# Allegro board AX7021-2019-04-01.brd (continued)
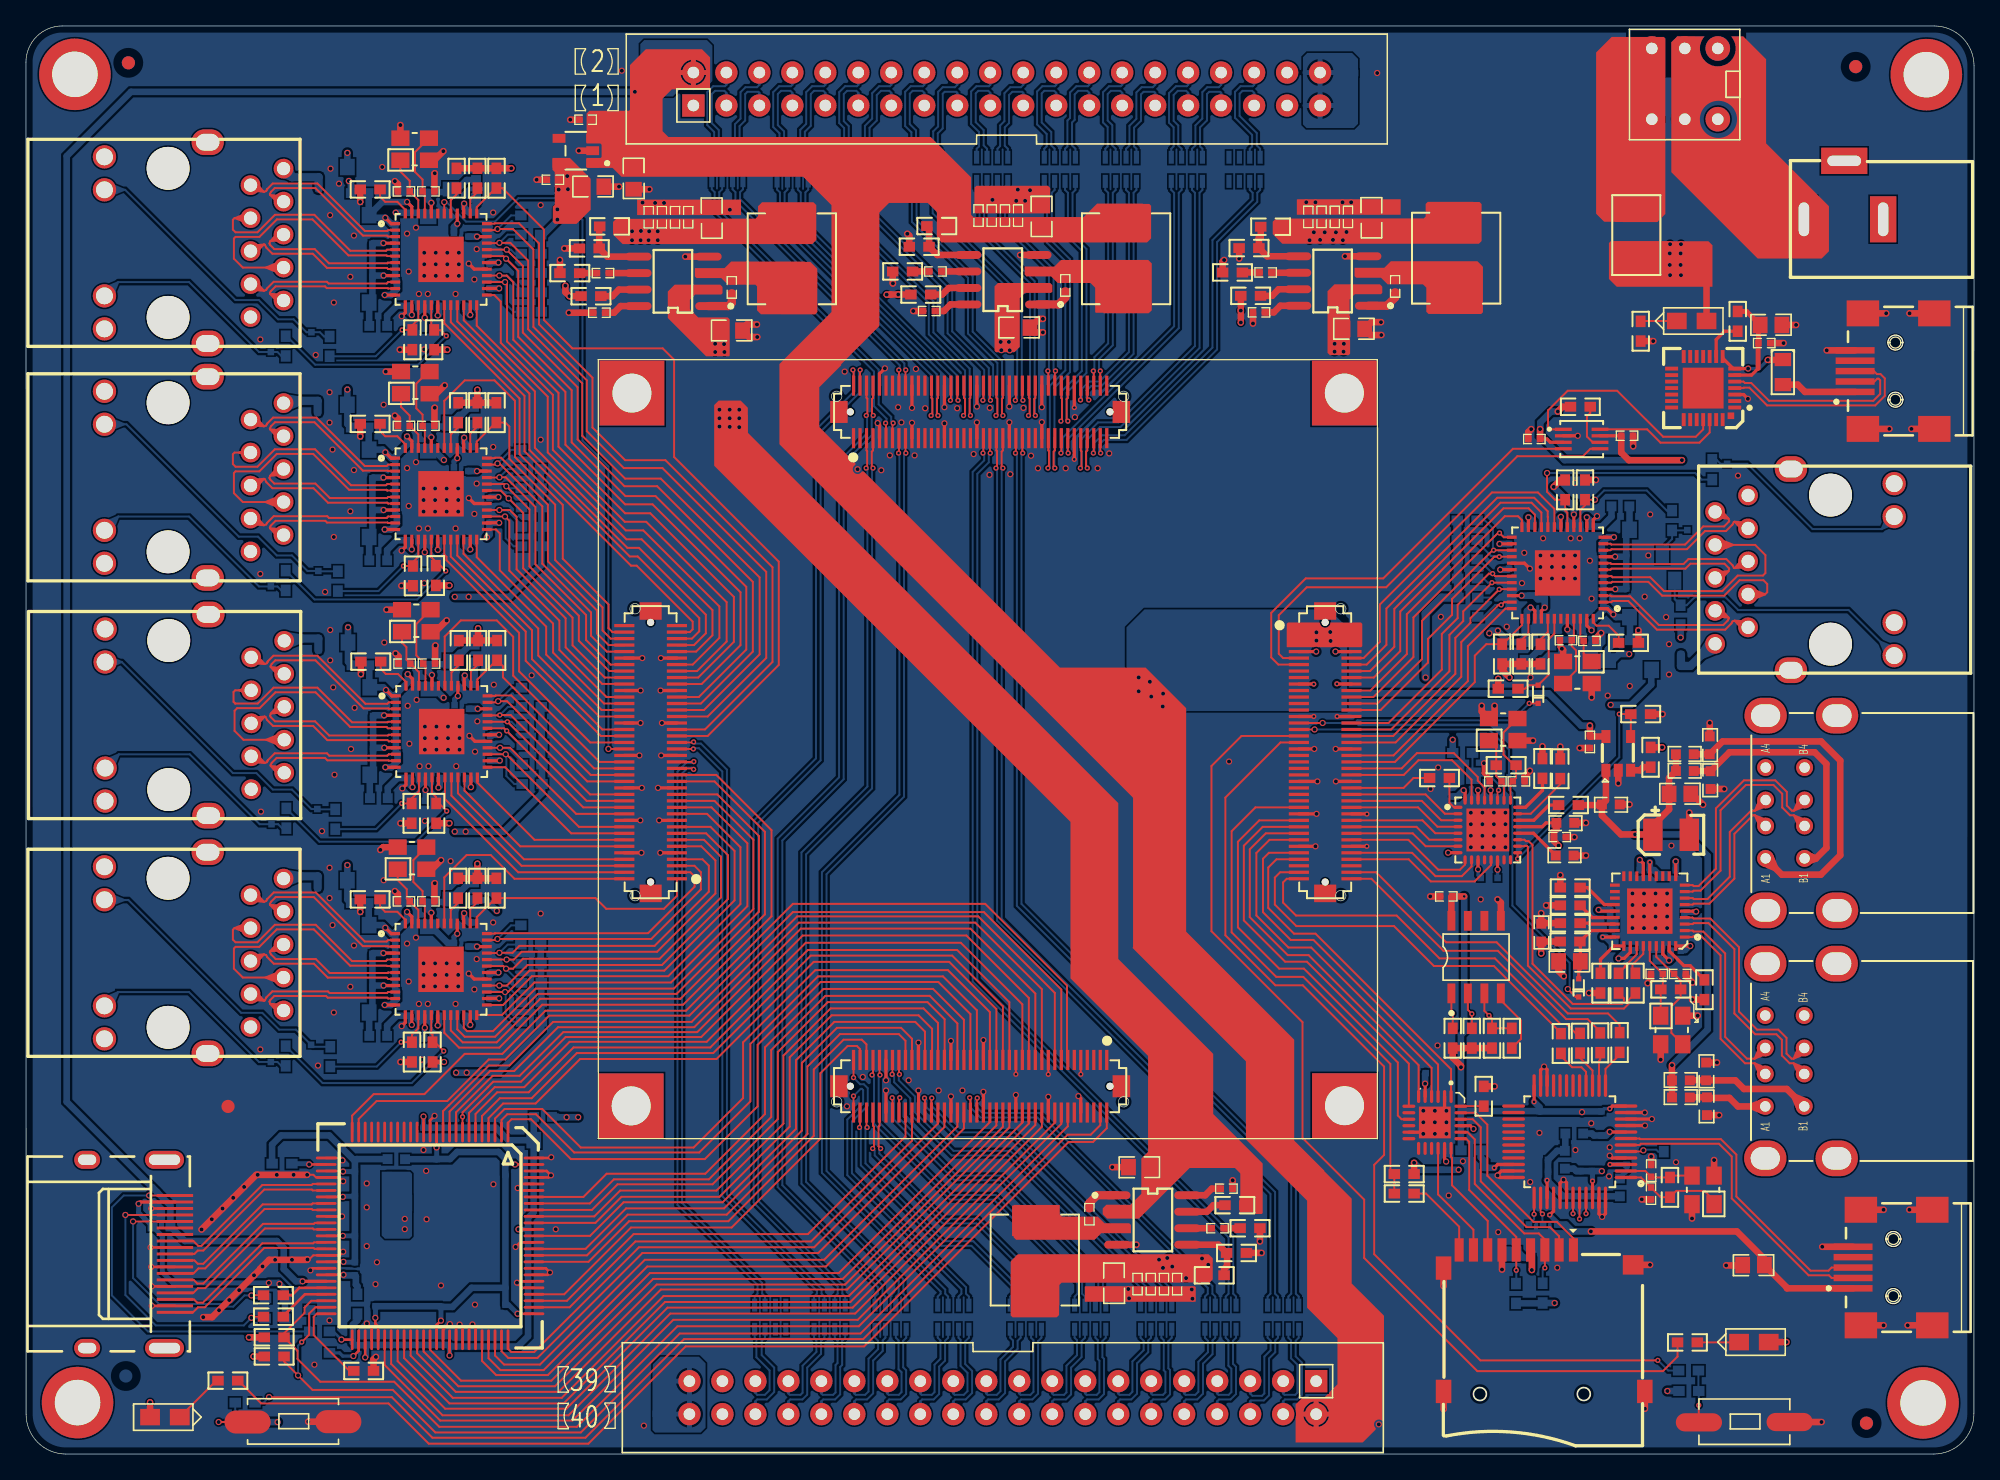
[diagram p0: board, top side]
## Routing (per net, layer and track width the routed paths; a pad name or vN(x,y) marks a point on that pad's centre or on a via; arc(x,y) is an arc through that point) (continued)
EX_IO1_3N: length 7.2
  BOTTOM w0.152: RN3.6 92.38,8.96 92.59,8.75 92.59,6.8 92.82,6.57 92.82,4.77 92.61,4.56 91.83,4.56 91.73,4.66 J15.7
EX_IO1_3P: length 7.9
  BOTTOM w0.152: RN3.5 93.18,8.96 92.95,8.72 92.95,6.95 93.18,6.72 93.18,4.62 92.76,4.2 91.87,4.2 91.73,4.06 J15.8
EX_IO1_4N: length 7.4
  BOTTOM w0.152: RN3.8 90.78,8.96 91.02,8.72 91.02,7.84 90.28,7.11 90.28,4.8 90.05,4.56 89.29,4.56 89.19,4.66 J15.9
EX_IO1_4P: length 8
  BOTTOM w0.152: J15.10 89.19,4.06 89.33,4.2 90.19,4.2 90.64,4.65 90.64,6.96 91.37,7.7 91.37,8.75 91.58,8.96 RN3.7
EX_IO1_5N: length 7.2
  BOTTOM w0.152: J15.11 86.65,4.66 86.75,4.56 87.56,4.56 87.74,4.74 87.74,6.33 87.61,6.46 87.61,8.77 87.43,8.96 RN5.6
EX_IO1_5P: length 7.8
  BOTTOM w0.152: RN5.5 88.23,8.96 87.97,8.7 87.97,6.6 88.1,6.48 88.1,4.6 87.7,4.2 86.79,4.2 86.65,4.06 J15.12
EX_IO1_6N: length 7.5
  BOTTOM w0.152: RN5.8 85.83,8.96 86.07,8.72 86.07,8 85.2,7.13 85.2,4.8 84.97,4.56 84.21,4.56 84.11,4.66 J15.13
EX_IO1_6P: length 8.1
  BOTTOM w0.152: RN5.7 86.63,8.96 86.42,8.75 86.42,7.85 85.56,6.98 85.56,4.65 85.11,4.2 84.25,4.2 84.11,4.06 J15.14
EX_IO1_7N: length 7.1
  BOTTOM w0.152: RN7.6 82.35,8.96 82.53,8.77 82.53,7.31 82.66,7.18 82.66,4.77 82.45,4.56 81.67,4.56 81.57,4.66 J15.15
EX_IO1_7P: length 7.8
  BOTTOM w0.152: J15.16 81.57,4.06 81.71,4.2 82.6,4.2 83.02,4.62 83.02,7.33 82.89,7.46 82.89,8.7 83.15,8.96 RN7.5
EX_IO1_8N: length 7.4
  BOTTOM w0.152: RN7.8 80.75,8.96 80.93,8.77 80.93,7.61 80.12,6.8 80.12,4.74 79.94,4.56 79.13,4.56 79.03,4.66 J15.17
EX_IO1_8P: length 8.1
  BOTTOM w0.152: RN7.7 81.55,8.96 81.29,8.7 81.29,7.47 80.48,6.65 80.48,4.6 80.08,4.2 79.17,4.2 79.03,4.06 J15.18
EX_IO1_9N: length 7.1
  BOTTOM w0.152: J15.19 76.49,4.66 76.59,4.56 77.35,4.56 77.58,4.8 77.58,8.77 77.4,8.96 RN9.6
EX_IO1_9P: length 7.8
  BOTTOM w0.152: J15.20 76.49,4.06 76.63,4.2 77.49,4.2 77.94,4.65 77.94,8.7 78.2,8.96 RN9.5
EX_IO1_10N: length 7.5
  BOTTOM w0.152: J15.21 73.95,4.66 74.05,4.56 74.75,4.56 75.04,4.85 75.04,7.28 76.01,8.25 76.01,8.75 75.8,8.96 RN9.8
EX_IO1_10P: length 8.1
  BOTTOM w0.152: J15.22 73.95,4.06 74.09,4.2 74.9,4.2 75.4,4.7 75.4,7.14 76.36,8.1 76.36,8.72 76.6,8.96 RN9.7
EX_IO1_11N: length 7.3
  BOTTOM w0.152: RN11.6 71.81,8.96 71.97,8.8 71.97,6.79 72.5,6.25 72.5,4.85 72.21,4.56 71.51,4.56 71.41,4.66 J15.23
EX_IO1_11P: length 8
  BOTTOM w0.152: J15.24 71.41,4.06 71.55,4.2 72.36,4.2 72.86,4.7 72.86,6.4 72.32,6.93 72.32,8.67 72.61,8.96 RN11.5
EX_IO1_12N: length 7.3
  BOTTOM w0.152: J15.25 68.87,4.66 68.97,4.56 69.75,4.56 69.96,4.77 69.96,6.88 70.42,7.34 70.42,8.75 70.21,8.96 RN11.8
EX_IO1_12P: length 7.9
  BOTTOM w0.152: RN11.7 71.01,8.96 70.77,8.72 70.77,7.19 70.32,6.73 70.32,4.62 69.9,4.2 69.01,4.2 68.87,4.06 J15.26
EX_IO1_13N: length 7.2
  BOTTOM w0.152: RN13.6 66.98,8.96 67.19,8.75 67.19,6.53 67.42,6.3 67.42,4.77 67.21,4.56 66.43,4.56 66.33,4.66 J15.27
EX_IO1_13P: length 7.9
  BOTTOM w0.152: J15.28 66.33,4.06 66.47,4.2 67.36,4.2 67.78,4.62 67.78,6.45 67.55,6.68 67.55,8.72 67.78,8.96 RN13.5
EX_IO1_14N: length 7.4
  BOTTOM w0.152: RN13.8 65.38,8.96 65.62,8.72 65.62,8.08 64.88,7.35 64.88,4.82 64.62,4.56 63.89,4.56 63.79,4.66 J15.29
EX_IO1_14P: length 8
  BOTTOM w0.152: J15.30 63.79,4.06 63.93,4.2 64.77,4.2 65.24,4.67 65.24,7.2 65.97,7.94 65.97,8.75 66.18,8.96 RN13.7
EX_IO1_15N: length 7.2
  BOTTOM w0.152: J15.31 61.25,4.66 61.35,4.56 62.16,4.56 62.34,4.74 62.34,6.85 62.49,7.01 62.49,8.75 62.28,8.96 RN15.6
EX_IO1_15P: length 7.8
  BOTTOM w0.152: RN15.5 63.08,8.96 62.85,8.72 62.85,6.86 62.7,6.71 62.7,4.6 62.3,4.2 61.39,4.2 61.25,4.06 J15.32
EX_IO1_16N: length 7.6
  BOTTOM w0.152: RN15.8 60.68,8.96 60.87,8.77 60.87,7.87 59.8,6.8 59.8,4.72 59.64,4.56 58.81,4.56 58.71,4.66 J15.33
EX_IO1_16P: length 8.2
  BOTTOM w0.152: RN15.7 61.48,8.96 61.22,8.7 61.22,7.72 60.16,6.65 60.16,4.57 59.79,4.2 58.85,4.2 58.71,4.06 J15.34
EX_IO1_17N: length 7.4
  BOTTOM w0.152: RN17.8 56.11,8.96 56.25,8.83 56.25,7.45 57.26,6.44 57.26,4.92 56.9,4.56 56.31,4.56 56.17,4.7 J15.35
EX_IO1_17P: length 8.1
  BOTTOM w0.152: J15.36 56.17,4.06 56.31,4.2 57.05,4.2 57.62,4.78 57.62,6.65 56.65,7.62 56.65,8.7 56.91,8.96 RN17.7
EX_IO2_1N: length 7.4
  BOTTOM w0.152: J16.3 53.93,104.85 53.78,105 53.07,105 52.82,104.75 52.82,102.51 53.35,101.98 53.35,100.85 53.61,100.59 RN2.6
EX_IO2_1P: length 7.9
  BOTTOM w0.152: RN2.5 52.81,100.59 52.99,100.78 52.99,101.83 52.46,102.37 52.46,104.9 52.92,105.36 53.83,105.36 53.93,105.46 J16.4
EX_IO2_2N: length 7.3
  BOTTOM w0.152: RN2.8 55.21,100.59 54.95,100.85 54.95,102.29 55.38,102.72 55.38,104.75 55.55,104.93 56.4,104.93 56.47,104.85 J16.5
EX_IO2_2P: length 7.9
  BOTTOM w0.152: RN2.7 54.41,100.59 54.59,100.78 54.59,102.43 55.03,102.87 55.03,104.9 55.41,105.28 56.3,105.28 56.47,105.46 J16.6
EX_IO2_3N: length 7.4
  BOTTOM w0.152: J16.7 59.01,104.85 58.86,105 58.15,105 57.9,104.75 57.9,102.36 58.38,101.88 58.38,100.83 58.64,100.57 RN4.6
EX_IO2_3P: length 7.9
  BOTTOM w0.152: RN4.5 57.84,100.57 58.02,100.75 58.02,101.73 57.54,102.21 57.54,104.9 58,105.36 58.91,105.36 59.01,105.46 J16.8
EX_IO2_4N: length 7.4
  BOTTOM w0.152: J16.9 61.55,104.85 61.4,105 60.69,105 60.44,104.75 60.44,102.31 59.98,101.85 59.98,100.83 60.24,100.57 RN4.8
EX_IO2_4P: length 7.9
  BOTTOM w0.152: RN4.7 59.44,100.57 59.62,100.75 59.62,102 60.08,102.46 60.08,104.9 60.54,105.36 61.45,105.36 61.55,105.46 J16.10
EX_IO2_5N: length 7.4
  BOTTOM w0.152: J16.11 64.09,104.85 63.94,105 63.23,105 62.98,104.75 62.98,102.67 63.36,102.29 63.36,100.8 63.62,100.54 RN6.6
EX_IO2_5P: length 7.9
  BOTTOM w0.152: RN6.5 62.82,100.54 63,100.72 63,102.14 62.62,102.52 62.62,104.9 63.08,105.36 63.99,105.36 64.09,105.46 J16.12
EX_IO2_6N: length 7.4
  BOTTOM w0.152: J16.13 66.63,104.85 66.48,105 65.84,105 65.52,104.68 65.52,102.72 64.96,102.16 64.96,100.8 65.22,100.54 RN6.8
EX_IO2_6P: length 7.9
  BOTTOM w0.152: J16.14 66.63,105.46 66.53,105.36 65.69,105.36 65.16,104.83 65.16,102.87 64.6,102.31 64.6,100.72 64.42,100.54 RN6.7
EX_IO2_7N: length 7.5
  BOTTOM w0.152: RN8.6 68.8,100.54 68.54,100.8 68.54,101.96 68.06,102.44 68.06,104.78 68.28,105 69.02,105 69.17,104.85 J16.15
EX_IO2_7P: length 8
  BOTTOM w0.152: RN8.5 68,100.54 68.18,100.72 68.18,101.81 67.7,102.29 67.7,104.93 68.13,105.36 69.07,105.36 69.17,105.46 J16.16
EX_IO2_8N: length 7.3
  BOTTOM w0.152: J16.17 71.71,104.85 71.64,104.93 70.74,104.93 70.6,104.78 70.6,102.11 70.22,101.73 70.22,100.72 70.4,100.54 RN8.8
EX_IO2_8P: length 8
  BOTTOM w0.152: J16.18 71.71,105.46 71.54,105.28 70.6,105.28 70.24,104.93 70.24,102.26 69.86,101.88 69.86,100.8 69.6,100.54 RN8.7
EX_IO2_9N: length 7.5
  BOTTOM w0.152: RN10.6 74.01,100.54 73.75,100.8 73.75,101.98 73.14,102.59 73.14,104.81 73.33,105 74.1,105 74.25,104.85 J16.19
EX_IO2_9P: length 8
  BOTTOM w0.152: RN10.5 73.21,100.54 73.39,100.72 73.39,101.83 72.78,102.44 72.78,104.95 73.19,105.36 74.15,105.36 74.25,105.46 J16.20
EX_IO2_10N: length 7.2
  BOTTOM w0.152: J16.21 76.79,104.85 76.72,104.93 75.95,104.93 75.7,104.68 75.7,102.52 75.37,102.19 75.37,100.78 75.61,100.54 RN10.8
EX_IO2_10P: length 7.8
  BOTTOM w0.152: RN10.7 74.81,100.54 75.02,100.75 75.02,102.34 75.35,102.67 75.35,104.83 75.8,105.28 76.62,105.28 76.79,105.46 J16.22
EX_IO2_11N: length 7.6
  BOTTOM w0.152: RN12.6 79.21,100.54 78.95,100.8 78.95,101.83 78.22,102.57 78.22,104.81 78.41,105 79.18,105 79.33,104.85 J16.23
EX_IO2_11P: length 8.1
  BOTTOM w0.152: J16.24 79.33,105.46 79.23,105.36 78.27,105.36 77.86,104.95 77.86,102.42 78.6,101.68 78.6,100.72 78.41,100.54 RN12.5
EX_IO2_12N: length 7.3
  BOTTOM w0.152: RN12.8 80.81,100.54 80.55,100.8 80.55,102.57 80.76,102.77 80.76,104.73 81.03,105 81.72,105 81.87,104.85 J16.25
EX_IO2_12P: length 7.8
  BOTTOM w0.152: J16.26 81.87,105.46 81.77,105.36 80.88,105.36 80.4,104.88 80.4,102.92 80.2,102.71 80.2,100.72 80.01,100.54 RN12.7
EX_IO2_13N: length 7.4
  BOTTOM w0.152: RN14.6 83.91,100.54 83.65,100.8 83.65,102.36 83.3,102.72 83.3,104.75 83.55,105 84.26,105 84.41,104.85 J16.27
EX_IO2_13P: length 7.9
  BOTTOM w0.152: J16.28 84.41,105.46 84.31,105.36 83.4,105.36 82.94,104.9 82.94,102.57 83.3,102.21 83.3,100.72 83.11,100.54 RN14.5
EX_IO2_14N: length 7.3
  BOTTOM w0.152: J16.29 86.95,104.85 86.88,104.93 86.06,104.93 85.86,104.73 85.86,102.7 85.33,102.16 85.33,100.72 85.51,100.54 RN14.8
EX_IO2_14P: length 8
  BOTTOM w0.152: RN14.7 84.71,100.54 84.97,100.8 84.97,102.31 85.51,102.84 85.51,104.88 85.91,105.28 86.78,105.28 86.95,105.46 J16.30
EX_IO2_15N: length 7.3
  BOTTOM w0.152: J16.31 89.49,104.85 89.34,105 88.7,105 88.38,104.68 88.38,102.69 88.73,102.34 88.73,100.8 88.99,100.54 RN16.6
EX_IO2_15P: length 7.9
  BOTTOM w0.152: RN16.5 88.19,100.54 88.38,100.72 88.38,102.19 88.02,102.54 88.02,104.83 88.55,105.36 89.39,105.36 89.49,105.46 J16.32
EX_IO2_16N: length 7.3
  BOTTOM w0.152: RN16.8 90.59,100.54 90.41,100.72 90.41,102.19 90.94,102.72 90.94,104.75 91.11,104.93 91.96,104.93 92.03,104.85 J16.33
EX_IO2_16P: length 8
  BOTTOM w0.152: J16.34 92.03,105.46 91.86,105.28 90.97,105.28 90.59,104.9 90.59,102.87 90.05,102.34 90.05,100.8 89.79,100.54 RN16.7
EX_IO2_17N: length 7.8
  BOTTOM w0.152: RN18.8 95.04,100.54 94.78,100.8 94.78,101.75 93.46,103.07 93.46,104.78 93.68,105 94.42,105 94.57,104.85 J16.35
EX_IO2_17P: length 8.3
  BOTTOM w0.152: RN18.7 94.24,100.54 94.42,100.72 94.42,101.61 93.1,102.93 93.1,104.93 93.53,105.36 94.47,105.36 94.57,105.46 J16.36
FPGA_TCK: length 26.1
  TOP w0.152: R3.1 122.72,33.04 121.83,33.93 118.73,33.93 113.24,39.42 109.36,39.42 103.97,44.81 CON1.78
FPGA_TDI: length 24.1
  TOP w0.152: R4.1 121.22,32.53 120.25,33.5 118.6,33.5 113.34,38.76 109.16,38.76 103.61,44.31 CON1.80
FPGA_TDO: length 29.9
  TOP w0.152: CON1.79 97.08,44.31 96.8,44.03 96.8,42.47 97.8,41.48 105.55,41.48 108.85,38.18 113.12,38.18 118.17,33.12 118.63,33.12 119.34,32.41 R5.1
FPGA_TMS: length 30.3
  TOP w0.152: CON1.77 96.58,44.81 96.17,44.4 96.17,42.32 97.83,40.67 105.34,40.67 108.42,37.59 113.04,37.59 118.2,32.43 R6.1
HDMI-VCC1: length 21.1
  TOP w0.254: J9.18 8.81,19.41 v1(8.67,19.28)
  BOTTOM w0.381: v1(18.7,13.18) 11.31,13.18 10.5,14 10.5,16.78 F1.2 9.1,18.17 9.09,18.17 8.67,18.59 v1(8.67,19.28)
  BOTTOM w0.508: v1(18.7,13.18) 19.44,13.18 v1(19.52,13.11) 19.97,12.66 R53.2 19.94,11.98 R54.2
HP_DET: length 30
  TOP w0.152: J9.19 v1(9.48,19.91)
  BOTTOM w0.152: v1(9.48,19.91) 7.53,19.91 6.61,19 6.61,12.22 9.39,9.44 R47.2 R52.1
IO1_1N: length 75.7
  TOP w0.152: CON2.51 76.23,77.13 v2(76.2,77.1)
  BOTTOM w0.152: RN1.3 97.21,12.13 97.43,12.35 97.43,21.1 76.3,42.23 76.3,76.99 v2(76.2,77.1)
IO1_1P: length 75.7
  TOP w0.152: v2(76.75,77.1) 76.73,77.13 CON2.53
  BOTTOM w0.152: RN1.4 98.01,12.13 97.79,12.35 97.79,21.25 76.66,42.37 76.66,77 v2(76.75,77.1)
IO1_2N: length 75.7
  TOP w0.152: CON2.45 74.73,77.3 74.78,77.25 74.78,76.02 v2(74.7,75.94)
  BOTTOM w0.152: v2(74.7,75.94) 74.78,75.86 74.78,41.09 95.83,20.04 95.83,12.35 95.61,12.13 RN1.1
IO1_2P: length 75.7
  TOP w0.152: CON2.47 75.23,77.3 75.13,77.21 75.13,76.04 v2(75.23,75.94)
  BOTTOM w0.152: v2(75.23,75.94) 75.13,75.85 75.13,41.24 96.19,20.18 96.19,12.35 96.41,12.13 RN1.2
IO1_3N: length 75.5
  TOP w0.152: CON2.41 73.73,77.13 v2(73.7,77.1)
  BOTTOM w0.152: v2(73.7,77.1) 73.79,77.01 73.79,76.54 72.9,75.65 72.9,36.39 92.61,16.68 92.61,12.35 92.38,12.13 RN3.3
IO1_3P: length 75.5
  TOP w0.152: CON2.43 74.23,77.13 v2(74.25,77.1)
  BOTTOM w0.152: v2(74.25,77.1) 74.14,76.99 74.14,76.39 73.25,75.5 73.25,36.54 92.96,16.83 92.96,12.35 93.18,12.13 RN3.4
IO1_4N: length 27.4
  TOP w0.152: CON4.44 72.73,27.39 v2(72.67,27.44)
  BOTTOM w0.152: RN3.1 90.78,12.13 91.01,12.35 91.01,12.8 77.88,25.92 73.51,25.92 72.75,26.68 72.75,27.37 v2(72.67,27.44)
IO1_4P: length 27.4
  TOP w0.152: CON4.42 73.23,27.39 v2(73.25,27.42)
  BOTTOM w0.152: v2(73.25,27.42) 73.1,27.27 73.1,26.83 73.66,26.28 78.03,26.28 91.36,12.94 91.36,12.35 91.58,12.13 RN3.2
IO1_5N: length 27.4
  TOP w0.152: v2(69.19,27.42) 69.23,27.38 CON4.58
  BOTTOM w0.152: RN5.3 87.43,12.13 87.65,12.35 87.65,12.75 75.98,24.42 71.63,24.42 69.34,26.71 69.34,27.27 v2(69.19,27.42)
IO1_5P: length 27.3
  TOP w0.152: CON4.56 69.73,27.39 v2(69.75,27.42)
  BOTTOM w0.152: v2(69.75,27.42) 69.7,27.37 69.7,26.86 71.78,24.78 76.13,24.78 88.01,12.89 88.01,12.35 88.23,12.13 RN5.4
IO1_6N: length 29.6
  TOP w0.152: CON4.67 66.73,29.27 v2(66.7,29.25)
  BOTTOM w0.152: RN5.1 85.83,12.13 86.05,12.35 86.05,12.59 75.65,23 71.28,23 68.1,26.18 68.1,27.4 66.85,28.64 66.85,29.09 v2(66.7,29.25)
IO1_6P: length 29.5
  TOP w0.152: v2(67.26,29.25) 67.23,29.28 CON4.65
  BOTTOM w0.152: RN5.2 86.63,12.13 86.41,12.35 86.41,12.74 75.79,23.35 71.43,23.35 68.45,26.33 68.45,27.55 67.21,28.79 67.21,29.2 v2(67.26,29.25)
IO1_7N: length 25.9
  TOP w0.152: v2(66.7,27.44) 66.73,27.42 CON4.68
  BOTTOM w0.152: RN7.3 82.35,12.13 82.57,12.35 82.57,13.55 75.03,21.09 71.51,21.09 66.85,25.75 66.85,27.29 v2(66.7,27.44)
IO1_7P: length 25.8
  TOP w0.152: v2(67.29,27.44) 67.23,27.38 CON4.66
  BOTTOM w0.152: RN7.4 83.15,12.13 82.93,12.35 82.93,13.7 75.18,21.45 71.65,21.45 67.24,25.87 67.24,27.39 v2(67.29,27.44)
IO1_8N: length 27.5
  TOP w0.152: CON4.73 65.23,29.27 v2(65.15,29.2)
  BOTTOM w0.152: RN7.1 80.75,12.13 80.97,12.35 80.97,13.15 74.52,19.6 71.15,19.6 65.3,25.44 65.3,29.04 v2(65.15,29.2)
IO1_8P: length 27.5
  TOP w0.152: v2(65.76,29.2) 65.73,29.23 CON4.71
  BOTTOM w0.152: v2(65.76,29.2) 65.66,29.09 65.66,25.59 71.3,19.95 74.67,19.95 81.33,13.29 81.33,12.35 81.55,12.13 RN7.2
IO1_9N: length 21.7
  TOP w0.152: v2(65.2,23.53) 65.3,23.63 65.3,25.22 65.23,25.29 CON4.74
  BOTTOM w0.152: v2(65.2,23.53) 65.36,23.38 65.36,23 70.59,17.77 73.18,17.77 77.62,13.33 77.62,12.35 77.4,12.13 RN9.3
IO1_9P: length 21.7
  TOP w0.152: CON4.72 65.73,25.29 65.65,25.22 65.65,23.69 v2(65.81,23.53)
  BOTTOM w0.152: RN9.4 78.2,12.13 77.98,12.35 77.98,13.48 73.33,18.12 70.74,18.12 65.71,23.15 65.71,23.43 65.81,23.53 v2(65.81,23.53)
IO1_10N: length 21.2
  TOP w0.152: CON4.78 64.23,25.2 v2(64.19,25.16)
  BOTTOM w0.152: RN9.1 75.8,12.13 76.02,12.35 76.02,12.82 72.8,16.04 70.49,16.04 64.29,22.24 64.29,25.06 v2(64.19,25.16)
IO1_10P: length 21.2
  TOP w0.152: v2(64.77,25.16) 64.73,25.2 CON4.76
  BOTTOM w0.152: RN9.2 76.6,12.13 76.38,12.35 76.38,12.97 72.95,16.39 70.64,16.39 64.64,22.39 64.64,25.03 v2(64.77,25.16)
IO1_11N: length 23.1
  TOP w0.152: CON4.80 v2(63.73,27.58)
  BOTTOM w0.152: RN11.3 71.81,12.13 72.03,12.35 72.03,12.7 63.25,21.48 63.25,25.76 64.47,26.98 64.47,28.03 64.37,28.13 64.28,28.13 v2(63.73,27.58)
IO1_11P: length 23.7
  TOP w0.152: CON4.79 v2(63.73,28.99)
  BOTTOM w0.152: v2(63.73,28.99) 64.23,28.49 64.52,28.49 64.82,28.18 64.82,26.83 63.6,25.62 63.6,21.63 72.39,12.84 72.39,12.35 72.61,12.13 RN11.4
IO1_12N: length 73.2
  TOP w0.152: v2(67.2,77.1) 67.23,77.13 CON2.15
  BOTTOM w0.152: RN11.1 70.21,12.13 70.43,12.35 70.43,12.52 61.29,21.66 61.29,44.81 67.26,50.78 67.26,77.04 v2(67.2,77.1)
IO1_12P: length 73.2
  TOP w0.152: v2(67.75,77.1) 67.73,77.13 CON2.17
  BOTTOM w0.152: v2(67.75,77.1) 67.62,76.96 67.62,50.63 61.65,44.67 61.65,21.81 70.79,12.66 70.79,12.35 71.01,12.13 RN11.2
IO1_13N: length 72.2
  TOP w0.152: v2(64.7,75.94) 64.78,76.02 64.78,77.25 64.73,77.3 CON2.5
  BOTTOM w0.152: RN13.3 66.98,12.13 67.21,12.35 67.21,13.33 59.72,20.81 59.72,46.34 64.8,51.42 64.8,75.84 v2(64.7,75.94)
IO1_13P: length 72.2
  TOP w0.152: v2(65.23,75.94) 65.13,76.04 65.13,77.21 65.23,77.3 CON2.7
  BOTTOM w0.152: RN13.4 67.78,12.13 67.56,12.35 67.56,13.47 60.07,20.96 60.07,46.19 65.15,51.27 65.15,75.87 v2(65.23,75.94)
IO1_14N: length 77.1
  TOP w0.152: v2(64.71,80) 64.79,80.08 64.79,81.29 64.73,81.35 CON2.6
  BOTTOM w0.152: v2(64.71,80) 64.77,79.94 64.77,78.62 62.61,76.46 62.61,52.13 57.89,47.4 57.89,20.56 65.61,12.84 65.61,12.35 65.38,12.13 RN13.1
IO1_14P: length 77.1
  TOP w0.152: CON2.8 65.23,81.35 65.15,81.27 65.15,80.09 v2(65.24,80)
  BOTTOM w0.152: v2(65.24,80) 65.13,79.89 65.13,78.47 62.97,76.31 62.97,51.98 58.24,47.26 58.24,20.71 65.96,12.99 65.96,12.35 66.18,12.13 RN13.2
IO1_15N: length 79.3
  TOP w0.152: v2(63.68,83.51) 63.73,83.46 CON2.2
  BOTTOM w0.152: RN15.3 62.28,12.13 62.51,12.35 62.51,12.89 56.03,19.37 56.03,48.78 60.83,53.58 60.83,78.9 63.78,81.85 63.78,83.4 v2(63.68,83.51)
IO1_15P: length 79.3
  TOP w0.152: v2(64.24,83.5) 64.23,83.49 CON2.4
  BOTTOM w0.152: RN15.4 63.08,12.13 62.86,12.35 62.86,13.04 56.39,19.51 56.39,48.63 61.19,53.43 61.19,78.76 64.14,81.7 64.14,83.4 v2(64.24,83.5)
IO1_16N: length 48.5
  TOP w0.152: CON3.41 v2(51.39,54.31)
  BOTTOM w0.152: v2(51.39,54.31) 51.45,54.37 51.82,54.37 53.62,52.57 53.62,19.85 60.91,12.57 60.91,12.35 60.68,12.13 RN15.1
IO1_16P: length 49.1
  TOP w0.152: CON3.43 51.37,54.81 v2(51.41,54.85)
  BOTTOM w0.152: v2(51.41,54.85) 51.54,54.72 51.97,54.72 53.98,52.72 53.98,20 61.26,12.72 61.26,12.35 61.48,12.13 RN15.2
IO1_17N: length 46.6
  TOP w0.152: CON3.37 51.4,53.31 v2(51.43,53.34)
  BOTTOM w0.152: RN17.1 56.11,12.13 56.33,12.35 56.33,13.03 50.17,19.19 50.17,52.56 50.83,53.22 51.32,53.22 v2(51.43,53.34)
IO1_17P: length 46
  TOP w0.152: CON3.35 51.34,52.81 v2(51.41,52.74)
  BOTTOM w0.152: RN17.2 56.91,12.13 56.69,12.35 56.69,13.17 50.52,19.34 50.52,52.42 50.97,52.87 51.28,52.87 v2(51.41,52.74)
IO2_1N: length 25.5
  TOP w0.152: v2(66.78,79.41) 66.73,79.36 CON2.13
  BOTTOM w0.152: v2(66.78,79.41) 66.63,79.56 66.63,79.89 65.66,80.86 65.66,83.53 53.39,95.8 53.39,97.2 53.61,97.42 RN2.3
IO2_1P: length 25.5
  TOP w0.152: CON2.11 66.23,79.38 v2(66.19,79.41)
  BOTTOM w0.152: RN2.4 52.81,97.42 53.03,97.2 53.03,95.65 65.3,83.38 65.3,80.71 66.27,79.75 66.27,79.49 66.19,79.41 v2(66.19,79.41)
IO2_2N: length 21.2
  TOP w0.152: v2(67.74,83.5) 67.73,83.48 CON2.18
  BOTTOM w0.152: v2(67.74,83.5) 67.64,83.6 67.64,84.01 54.99,96.66 54.99,97.2 55.21,97.42 RN2.1
IO2_2P: length 21.2
  TOP w0.152: CON2.16 67.23,83.49 v2(67.21,83.5)
  BOTTOM w0.152: v2(67.21,83.5) 67.24,83.5 67.29,83.55 67.29,83.86 54.63,96.52 54.63,97.2 54.41,97.42 RN2.2
IO2_3N: length 25.4
  TOP w0.152: v2(70.23,79.99) 70.15,80.07 70.15,81.28 70.23,81.35 70.23,81.85 CON2.28
  BOTTOM w0.152: v2(70.23,79.99) 70.13,80.09 70.13,83.17 58.42,94.89 58.42,97.17 58.64,97.4 RN4.3
IO2_3P: length 25.4
  TOP w0.152: v2(69.7,79.99) 69.79,80.09 69.79,81.28 69.73,81.35 CON2.26
  BOTTOM w0.152: v2(69.7,79.99) 69.78,80.07 69.78,83.02 58.06,94.74 58.06,97.17 57.84,97.4 RN4.4
IO2_4N: length 23
  TOP w0.152: v2(71.77,81.16) 71.73,81.21 71.73,81.9 CON2.34
  BOTTOM w0.152: v2(71.77,81.16) 71.68,81.25 71.68,83.09 60.02,94.75 60.02,97.17 60.24,97.4 RN4.1
IO2_4P: length 23
  TOP w0.152: v2(71.19,81.16) 71.23,81.2 71.23,81.85 CON2.32
  BOTTOM w0.152: v2(71.19,81.16) 71.32,81.3 71.32,82.94 59.66,94.61 59.66,97.17 59.44,97.4 RN4.2
IO2_5N: length 24.4
  TOP w0.152: CON2.38 72.73,81.85 72.73,81.35 72.66,81.29 72.66,80.06 v2(72.73,79.99)
  BOTTOM w0.152: v2(72.73,79.99) 72.67,80.05 72.67,83.6 69.88,86.4 69.88,88.81 63.4,95.29 63.4,97.15 63.62,97.37 RN6.3
IO2_5P: length 24.4
  TOP w0.152: v2(72.2,79.99) 72.31,80.11 72.31,81.27 72.23,81.35 72.23,81.8 CON2.36
  BOTTOM w0.152: RN6.4 62.82,97.37 63.04,97.15 63.04,95.14 69.52,88.66 69.52,86.25 72.32,83.46 72.32,80.11 v2(72.2,79.99)
IO2_6N: length 22
  TOP w0.152: v2(74.27,81.16) 74.23,81.21 CON2.44
  BOTTOM w0.152: RN6.1 65.22,97.37 65,97.15 65,95.88 71.32,89.55 71.32,86.47 74.14,83.65 74.14,81.29 v2(74.27,81.16)
IO2_6P: length 21.9
  TOP w0.152: v2(73.69,81.16) 73.73,81.2 73.73,82.03 CON2.42
  BOTTOM w0.152: v2(73.69,81.16) 73.79,81.26 73.79,83.51 70.97,86.33 70.97,89.4 64.64,95.73 64.64,97.15 64.42,97.37 RN6.2
IO2_7N: length 23.2
  TOP w0.152: CON2.48 75.23,82.08 75.23,81.35 75.15,81.28 75.15,80.07 v2(75.23,79.99)
  BOTTOM w0.152: RN8.3 68.8,97.37 68.58,97.15 68.58,95.06 72.9,90.74 72.9,86.45 75.16,84.19 75.16,80.06 v2(75.23,79.99)
IO2_7P: length 23.3
  TOP w0.152: v2(74.7,79.99) 74.8,80.1 74.8,81.28 74.73,81.35 74.73,82.08 CON2.46
  BOTTOM w0.152: RN8.4 68,97.37 68.22,97.15 68.22,94.91 72.54,90.59 72.54,86.3 74.8,84.04 74.8,80.1 v2(74.7,79.99)
IO2_8N: length 20.8
  TOP w0.152: v2(76.77,81.16) 76.73,81.21 76.73,82.1 76.73,82.1 CON2.54
  BOTTOM w0.152: RN8.1 70.4,97.37 70.18,97.15 70.18,95.72 76.68,89.21 76.68,81.25 v2(76.77,81.16)
IO2_8P: length 20.9
  TOP w0.152: v2(76.19,81.16) 76.23,81.2 76.23,82.05 CON2.52
  BOTTOM w0.152: RN8.2 69.6,97.37 69.82,97.15 69.82,95.57 76.33,89.06 76.33,81.3 v2(76.19,81.16)
IO2_9N: length 22.1
  TOP w0.152: v2(77.73,79.99) 77.64,80.08 77.64,81.27 77.73,81.35 77.73,82.05 CON2.58
  BOTTOM w0.152: v2(77.73,79.99) 77.67,80.05 77.67,90.33 73.78,94.22 73.78,97.15 74.01,97.37 RN10.3
IO2_9P: length 22.2
  TOP w0.152: CON2.56 77.23,82 77.23,81.35 77.29,81.29 77.29,80.09 v2(77.2,79.99)
  BOTTOM w0.152: v2(77.2,79.99) 77.32,80.12 77.32,90.19 73.43,94.08 73.43,97.15 73.21,97.37 RN10.4
IO2_10N: length 17.5
  TOP w0.152: v2(79.27,83.43) 79.23,83.38 CON2.64
  BOTTOM w0.152: RN10.1 75.61,97.37 75.38,97.15 75.38,94.99 79.13,91.24 79.13,83.57 v2(79.27,83.43)
IO2_10P: length 17.4
  TOP w0.152: CON2.62 78.73,83.39 v2(78.69,83.43)
  BOTTOM w0.152: RN10.2 74.81,97.37 75.03,97.15 75.03,94.84 78.77,91.09 78.77,83.51 v2(78.69,83.43)
IO2_11N: length 25.6
  TOP w0.152: CON2.63 79.23,77.3 79.13,77.21 79.13,76.04 v2(79.23,75.94)
  BOTTOM w0.152: v2(79.23,75.94) 79.2,75.97 79.2,82.14 80.39,83.33 80.39,92.04 78.99,93.44 78.99,97.15 79.21,97.37 RN12.3
IO2_11P: length 25.7
  TOP w0.152: v2(78.7,75.94) 78.78,76.02 78.78,77.25 78.73,77.3 CON2.61
  BOTTOM w0.152: v2(78.7,75.94) 78.84,76.09 78.84,82.28 80.04,83.48 80.04,91.89 78.64,93.29 78.64,97.15 78.41,97.37 RN12.4
IO2_12N: length 22.5
  TOP w0.152: CON2.68 80.23,82.03 80.23,82.03 80.23,81.35 80.13,81.26 80.13,79.66 v2(80.23,79.56)
  BOTTOM w0.152: v2(80.23,79.56) 80.14,79.65 80.14,81.75 81.66,83.27 81.66,92.82 80.59,93.89 80.59,97.15 80.81,97.37 RN12.1
IO2_12P: length 22.5
  TOP w0.152: CON2.66 79.73,81.95 79.73,81.95 79.73,81.35 79.78,81.3 79.78,79.64 v2(79.7,79.56)
  BOTTOM w0.152: RN12.2 80.01,97.37 80.24,97.15 80.24,93.75 81.31,92.68 81.31,83.42 79.78,81.9 79.78,79.65 v2(79.7,79.56)
IO2_13N: length 16.3
  TOP w0.152: CON2.78 82.73,83.42 v2(82.73,83.42)
  BOTTOM w0.152: v2(82.73,83.42) 82.63,83.52 82.63,84.34 83.69,85.4 83.69,97.15 83.91,97.37 RN14.3
IO2_13P: length 16.3
  TOP w0.152: CON2.76 82.23,83.39 v2(82.2,83.42)
  BOTTOM w0.152: RN14.4 83.11,97.37 83.33,97.15 83.33,85.55 82.27,84.49 82.27,83.5 v2(82.2,83.42)
IO2_14N: length 20.1
  TOP w0.152: v2(81.84,81.19) 81.73,81.3 CON2.74
  BOTTOM w0.152: v2(81.84,81.19) 81.66,81.37 81.66,81.9 82.02,82.26 82.81,82.26 85.29,84.74 85.29,97.15 85.51,97.37 RN14.1
IO2_14P: length 20.1
  TOP w0.152: CON2.72 81.23,81.21 v2(81.21,81.19)
  BOTTOM w0.152: v2(81.21,81.19) 81.31,81.29 81.31,82.05 81.87,82.61 82.66,82.61 84.93,84.89 84.93,97.15 84.71,97.37 RN14.2
IO2_15N: length 25.8
  TOP w0.152: CON2.67 80.23,77.13 v2(80.25,77.1)
  BOTTOM w0.152: v2(80.25,77.1) 80.19,77.17 80.19,78.14 88.77,86.72 88.77,97.15 88.99,97.37 RN16.3
IO2_15P: length 25.8
  TOP w0.152: v2(79.7,77.1) 79.73,77.13 CON2.65
  BOTTOM w0.152: v2(79.7,77.1) 79.83,77.24 79.83,78.29 88.41,86.87 88.41,97.15 88.19,97.37 RN16.4
IO2_16N: length 29.1
  TOP w0.152: CON2.73 81.73,77.81 81.73,77.81 81.73,77.3 81.63,77.21 81.63,76.04 v2(81.73,75.94)
  BOTTOM w0.152: v2(81.73,75.94) 81.64,76.04 81.64,78.04 82.7,79.11 84.28,79.11 90.37,85.2 90.37,97.15 90.59,97.37 RN16.1
IO2_16P: length 29.1
  TOP w0.152: v2(81.2,75.94) 81.28,76.02 81.28,77.25 81.23,77.3 CON2.71
  BOTTOM w0.152: v2(81.2,75.94) 81.28,76.03 81.28,78.19 82.56,79.46 84.13,79.46 90.01,85.35 90.01,97.15 89.79,97.37 RN16.2
IO2_17N: length 28.3
  TOP w0.152: v2(82.75,77.1) 82.73,77.13 CON2.77
  BOTTOM w0.152: RN18.1 95.04,97.37 94.82,97.15 94.82,96.45 91.72,93.36 91.72,85.08 84.76,78.12 83.01,78.12 82.63,77.74 82.63,77.23 v2(82.75,77.1)
IO2_17P: length 28.3
  TOP w0.152: v2(82.2,77.1) 82.23,77.13 CON2.75
  BOTTOM w0.152: v2(82.2,77.1) 82.27,77.18 82.27,77.88 82.86,78.47 84.61,78.47 91.37,85.23 91.37,93.5 94.46,96.6 94.46,97.15 94.24,97.37 RN18.2
OTG_CLK: length 6.3
  TOP w0.152: CON1.52 106.08,51.31 106.85,52.07 R37.1
OTG_D_N: length 19.7
  TOP w0.152: U7.19 115.39,47.32 115.5,47.21 115.72,47.21 116.01,46.91 116.01,37.76 119.11,34.67 122.9,34.67 123.05,34.82 123.05,35.1 R150.1
OTG_D_P: length 20.3
  TOP w0.152: U7.18 115.39,46.82 115.43,46.85 115.57,46.85 115.66,46.77 115.66,37.62 118.96,34.32 123.05,34.32 123.4,34.67 123.4,34.98 R151.1
OTG_DATA0: length 8.8
  TOP w0.152: CON1.56 107.48,50.31 108.98,48.82 U7.3
OTG_DATA1: length 8.8
  TOP w0.152: U7.4 108.69,48.32 107.2,49.81 CON1.58
OTG_DATA2: length 8.6
  TOP w0.152: U7.5 108.53,47.82 107.54,48.81 CON1.62
OTG_DATA3: length 8.6
  TOP w0.152: CON1.64 107.07,48.31 108.07,47.32 U7.6
OTG_DATA4: length 8.6
  TOP w0.152: U7.7 107.78,46.82 106.79,47.81 CON1.66
OTG_DATA5: length 10.2
  TOP w0.152: CON1.68 106.45,47.31 108.75,45.01 110.42,45.01 110.82,45.4 U7.9
OTG_DATA6: length 10.8
  TOP w0.152: U7.10 111.32,45.26 110.57,44.51 108.54,44.51 106.74,46.31 CON1.72
OTG_DATA7: length 12.4
  TOP w0.152: CON1.74 106.48,45.81 108.18,44.11 111.55,44.11 112.82,45.37 U7.13